# Altium PCB BlueberryPiCore.PcbDoc (part 1 of 3) (continued)
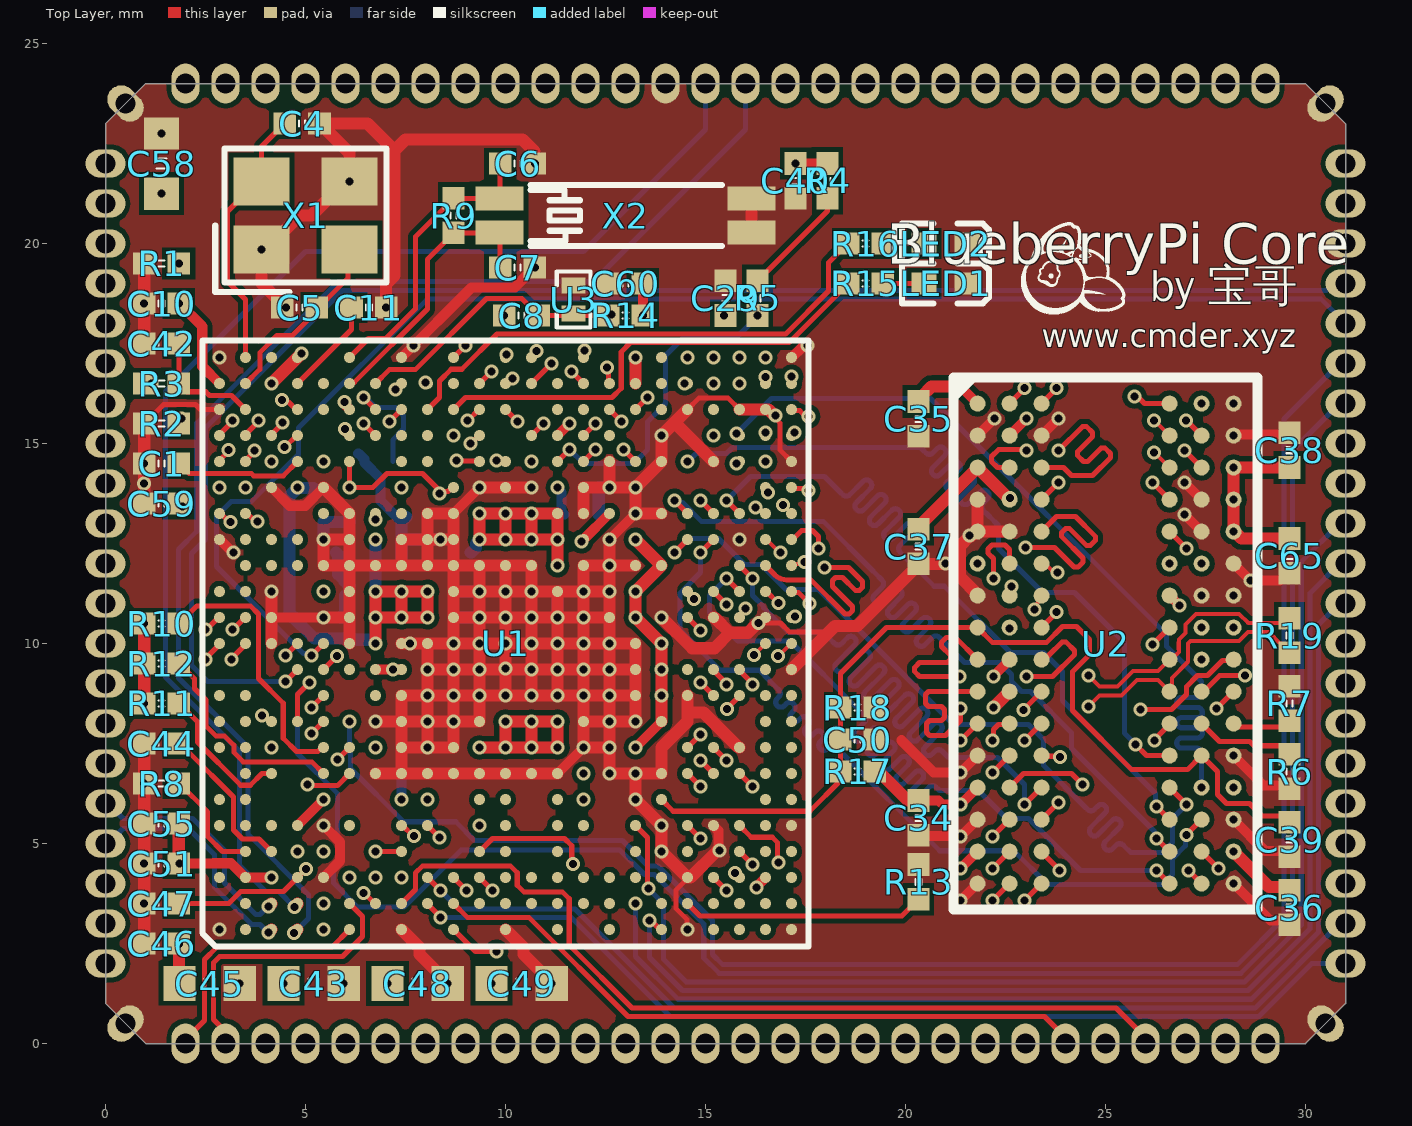
[diagram p0: Top Layer view]
## Footprints (in the part's own frame and the unit in brackets; to place one, negate y for a bottom-side part, rotate by r counter-clockwise, add the part's x,y. Pads: shape width x height; smd on the part's side, far side on the other; paste and mask are expansions set on the pad) (continued)
  round 0.28 smd paste-2539.97 mask+0.051: M23(7.15,0)
  silkscreen extent -7.58,-7.58 7.58,7.58
C0402 [mm]
  rect 0.566x0.54 smd paste-100 mask+0.051: 1(-0.433,0) 2(0.433,0)
  silkscreen extent -0.08,-0.08 0.08,0.08
C0603 [mm]
  rect 0.806x0.864 smd paste-100 mask+0.051: 1(-0.753,0) 2(0.753,0)
  silkscreen extent -0.13,-0.13 0.13,0.13
CRYSTAL-SMD_4P-L3.2-W2.5-BL [mm]
  rect 1.4x1.2 smd paste+0 mask+0.051: 1(-1.1,-0.85) 2(1.1,-0.85) 3(1.1,0.85) 4(-1.1,0.85)
  silkscreen extent -2.26,-1.91 2.03,1.68
DFN1006-2L_L1.0-W0.6-P0.70-BI [mm]
  rect 0.399x0.599 smd paste+0 mask+0.051: 1(-0.351,0) 2(0.351,0)
  silkscreen extent -0.7,-0.42 0.7,0.42
FBGA-96_L13.3-W7.5-R16-C6-P0.80-TL [mm]
  round 0.4 smd: A1(-3.2,6) A2(-2.4,6) A3(-1.6,6) A7(1.6,6) A8(2.4,6) A9(3.2,6) B1(-3.2,5.2) B2(-2.4,5.2) B3(-1.6,5.2) B7(1.6,5.2) B8(2.4,5.2) B9(3.2,5.2) C1(-3.2,4.4) C2(-2.4,4.4) C3(-1.6,4.4) C7(1.6,4.4) C8(2.4,4.4) C9(3.2,4.4) D1(-3.2,3.6) D2(-2.4,3.6) D3(-1.6,3.6) D7(1.6,3.6) D8(2.4,3.6) D9(3.2,3.6) E1(-3.2,2.8) E2(-2.4,2.8) E3(-1.6,2.8) E7(1.6,2.8) E8(2.4,2.8) E9(3.2,2.8) F1(-3.2,2) F2(-2.4,2) F3(-1.6,2) F7(1.6,2) F8(2.4,2) F9(3.2,2) G1(-3.2,1.2) G2(-2.4,1.2) G3(-1.6,1.2) G7(1.6,1.2) G8(2.4,1.2) G9(3.2,1.2) H1(-3.2,0.4) H2(-2.4,0.4) H3(-1.6,0.4) H7(1.6,0.4) H8(2.4,0.4) H9(3.2,0.4) J1(-3.2,-0.4) J2(-2.4,-0.4) J3(-1.6,-0.4) J7(1.6,-0.4) J8(2.4,-0.4) J9(3.2,-0.4) K1(-3.2,-1.2) K2(-2.4,-1.2) K3(-1.6,-1.2) K7(1.6,-1.2) K8(2.4,-1.2) K9(3.2,-1.2) L1(-3.2,-2) L2(-2.4,-2) L3(-1.6,-2) L7(1.6,-2) L8(2.4,-2) L9(3.2,-2) M1(-3.2,-2.8) M2(-2.4,-2.8) M3(-1.6,-2.8) M7(1.6,-2.8) M8(2.4,-2.8) M9(3.2,-2.8) N1(-3.2,-3.6) N2(-2.4,-3.6) N3(-1.6,-3.6) N7(1.6,-3.6) N8(2.4,-3.6) N9(3.2,-3.6) P1(-3.2,-4.4) P2(-2.4,-4.4) P3(-1.6,-4.4) P7(1.6,-4.4) P8(2.4,-4.4) P9(3.2,-4.4) R1(-3.2,-5.2) R2(-2.4,-5.2) R3(-1.6,-5.2) R7(1.6,-5.2) R8(2.4,-5.2) R9(3.2,-5.2) T1(-3.2,-6) T2(-2.4,-6) T3(-1.6,-6) T7(1.6,-6) T8(2.4,-6) T9(3.2,-6)
  silkscreen extent -3.8,-6.65 3.8,6.65
LED0402-RD [mm]
  rect 0.636x0.54 smd paste-100 mask+0.051: 1(-0.538,0) 2(0.538,0)
  silkscreen extent -1.09,-0.5 1.09,0.5
MC-146_4P-L6.7-W1.5-P0.85-TL [mm]
  rect 1.2x0.6 smd paste+0 mask+0.051: 1(-3.15,-0.425) 2(3.15,-0.425) 3(3.15,0.425) 4(-3.15,0.425)
  silkscreen extent -2.37,-0.76 2.41,0.76
R0402 [mm]
  rect 0.566x0.54 smd paste-100 mask+0.051: 1(-0.433,0) 2(0.433,0)
  silkscreen extent -0.08,-0.08 0.08,0.08

## Part data
C1 C4 C5 C6 C7 C8 C9 C11 C17 C19 C20 C21 C24 C25 C26 C31 C34 C40: library part 电容-0402, Capacitance=100nF, JLCPCB Part Class="Extended Part", LCSC Part Name="100nF ±10% 50V", Manufacturer=muRata(村田), Manufacturer Part=GRM155R71H104KE14D, Temperature Coefficient=X7R, Tolerance=±10%, Voltage Rated=50V, Add into BOM=yes, Convert to PCB=yes, Datasheet=https://atta.szlcsc.com/upload/public/pdf/source/20180326/C77020_39BD49C951FF1AF0DB1F1FAC5AC1E401.pdf, Device=GRM155R71H104KE14D, Name=100nF, Supplier=LCSC, Supplier Footprint=0402, Supplier Part=C77020, Symbol=GRM155R71H104KE14D
C10 C12 C13 C14 C15 C18 C22 C23 C27 C28 C29 C30 C32 C33 C35 C36 C37 C38 C39 C41 C42 C44 C46 C47 C50 C51 C52 C53 C54 C55 C57 C59 C60 C61 C62 C63 C64 C65 C66 C67 C68: library part 电容-0402, JLCPCB Part Class="Extended Part", LCSC Part Name="100nF ±10% 50V", Manufacturer=muRata(村田), Manufacturer Part=GRM155R71H104KE14D, Temperature Coefficient=X7R, Tolerance=±10%, Voltage Rated=50V, Add into BOM=yes, Capacitance=100nF, Convert to PCB=yes, Datasheet=https://atta.szlcsc.com/upload/public/pdf/source/20180326/C77020_39BD49C951FF1AF0DB1F1FAC5AC1E401.pdf, Device=GRM155R71H104KE14D, Name=100nF, Supplier=LCSC, Supplier Footprint=0402, Supplier Part=C77020, Symbol=GRM155R71H104KE14D
C43 C45 C48 C49 C58: library part 电容-0603, JLCPCB Part Class="Basic Part", LCSC Part Name="100nF ±10% 50V", Manufacturer=YAGEO(国巨), Manufacturer Part=CC0603KRX7R9BB104, Temperature Coefficient=X7R, Tolerance=±10%, Voltage Rated=50V, Add into BOM=yes, Convert to PCB=yes, Datasheet=https://atta.szlcsc.com/upload/public/pdf/source/20180910/C282072_33301C7F631E79921B82A8DAC6BCC5B3.pdf, Device=CC0603KRX7R9BB104, Name=100nF, Supplier=LCSC, Supplier Footprint=0603, Supplier Part=C14663, Symbol=CC0603KRX7R9BB104
LED1 LED2: library part NCD0402R1, Emitted Color=红灯, JLCPCB Part Class="Extended Part", Manufacturer=国星光电, Add into BOM=yes, Convert to PCB=yes, Datasheet=https://atta.szlcsc.com/upload/public/pdf/source/20200820/C130719_A72EA5A7FEC83C35856EA0453E4EE775.pdf, Device=NCD0402R1, LCSC Part Name=NCD0402R1, Manufacturer Part=NCD0402R1, Name=NCD0402R1, Supplier=LCSC, Supplier Footprint=0402, Supplier Part=C130719, Symbol=FC-F1005HRK-620H5
R1 R2 R3 R4 R5 R6 R7 R8 R9 R10 R11 R12 R13 R14 R15 R16 R17 R18 R19: library part 电阻-0402, JLCPCB Part Class="Basic Part", LCSC Part Name="1kΩ ±1% 62.5mW", Manufacturer=UNI-ROYAL(厚声), Manufacturer Part=0402WGF1001TCE, Operating Temperature Range=-55℃~+155℃, Overload Voltage (Max)=50V, Power(Watts)=62.5mW, Temperature Coefficient=±100ppm/℃, Tolerance=±1%, Add into BOM=yes, Convert to PCB=yes, Datasheet=https://atta.szlcsc.com/upload/public/pdf/source/20200306/C422600_1E6D84923E4A46A82E41ADD87F860B5C.pdf, Device=0402WGF1001TCE, Name=1kΩ, Supplier=LCSC, Supplier Footprint=0402, Supplier Part=C11702, Symbol=0402WGF1001TCE, Type=厚膜电阻
U1: "全志H6", Add into BOM=yes, Convert to PCB=yes, Device=Allwinner_H6, Symbol=Allwinner_H6
U2: library part Component_1
U3: JLCPCB Part Class=扩展库, Manufacturer="TECH PUBLIC(台舟)", Add into BOM=yes, Convert to PCB=yes, Datasheet=https://atta.szlcsc.com/upload/public/pdf/source/20211227/D040CF3F0222548C5BD9F7E690946783.pdf, Device=ESD5451N, Supplier=LCSC, Supplier Part=C2936977, Symbol=ESD5451N-
X1: "晶振类型:贴片无源晶振;频率:24MHz;频率公差:±10ppm;频率稳定度:±30ppm;负载电容:12pF;工作温度:-40℃~+85℃;", Frequency Stability=±30ppm, Frequency Tolerance=±10ppm, JLCPCB Part Class=扩展库, LCSC Part Name="24MHz ±10ppm 12pF", Load Capacitance=12pF, Manufacturer=YXC(扬兴晶振), Operating Temperature=-40℃~+85℃, Add into BOM=yes, Convert to PCB=yes, Crystal Type=贴片无源晶振, Datasheet=https://atta.szlcsc.com/upload/public/pdf/source/20210329/C112971_1F611BDC486E193C1706F6D8EB5AA189.pdf, Device=X322524MOB4SI, Manufacturer Part=X322524MOB4SI, Name=24MHz, Supplier=LCSC, Supplier Footprint=SMD3225-4P, Supplier Part=C70590, Symbol=X322524MOB4SI
X2: "晶振类型:贴片无源晶振;频率:32.768kHz;频率公差:±20ppm;负载电容:7pF;等效串联电阻(ESR):65kΩ;工作温度:-40℃~+85℃;", Equivalent Series Resistance (ESR)=65kΩ, Frequency Tolerance=±20ppm, JLCPCB Part Class=扩展库, LCSC Part Name="32.768kHz ±20ppm 7pF", Load Capacitance=7pF, Manufacturer=EPSON(爱普生), Operating Temperature=-40℃~+85℃, Add into BOM=yes, Convert to PCB=yes, Crystal Type=贴片无源晶振, Datasheet=https://atta.szlcsc.com/upload/public/pdf/source/20170211/1486785670215.pdf, Device=MC-14632.768kHz7.0pF20PPM, Manufacturer Part=MC-14632.768kHz7.0pF20PPM, Name=32.768kHz, Supplier=LCSC, Supplier Footprint=MC-146, Supplier Part=C94977, Symbol=MC-14632.768kHz7.0pF20PPM

## Free pads (board coordinates)
  oval 1x0.7 hole 0.5 mask+0: 1(0,22) 2(0,21) 3(0,20) 4(0,19) 5(0,18) 6(0,17) 7(0,16) 8(0,15) 9(0,14) 10(0,13) 11(0,12) 12(0,11) 13(0,10) 14(0,9) 15(0,8) 16(0,7) 17(0,6) 18(0,5) 19(0,4) 20(0,3) 21(0,2) 50(31,2) 51(31,3) 52(31,4) 53(31,5) 54(31,6) 55(31,7) 56(31,8) 57(31,9) 58(31,10) 59(31,11) 60(31,12) 61(31,13) 62(31,14) 63(31,15) 64(31,16) 65(31,17) 66(31,18) 67(31,19) 68(31,20) 69(31,21) 70(31,22)
  oval 0.7x1 hole 0.5 mask+0: 22(2,0) 23(3,0) 24(4,0) 25(5,0) 26(6,0) 27(7,0) 29(8,0) 29(9,0) 30(10,0) 31(11,0) 32(12,0) 33(13,0) 34(14,0) 35(15,0) 36(16,0) 37(17,0) 38(18,0) 39(19,0) 40(20,0) 41(21,0) 42(22,0) 43(23,0) 44(24,0) 45(25,0) 46(26,0) 47(27,0) 48(28,0) 49(29,0) 71(29,24) 72(28,24) 73(27,24) 74(26,24) 75(25,24) 76(24,24) 77(23,24) 78(22,24) 79(21,24) 80(20,24) 81(19,24) 82(18,24) 83(17,24) 84(16,24) 85(15,24) 86(14,24) 87(13,24) 88(12,24) 89(11,24) 90(10,24) 91(9,24) 92(8,24) 93(7,24) 94(6,24) 95(5,24) 96(4,24) 97(3,24) 98(2,24)
  oval 1x0.7 hole 0.5 rot 45 mask+0: 99(0.5,0.5) 99(30.5,23.5)
  oval 1x0.7 hole 0.5 rot 135 mask+0: 99(0.5,23.5) 99(30.5,0.5)

## Via types
v1: diameter 0.35, hole 0.2, Top Layer to Bottom Layer, tented both sides, 387 vias

## Nets (pads, with @x,y where several pads share a name; then routed paths per layer and width w, separated by ;. In a path a pad name is that pad's centre, name@x,y a point inside that pad or via, vN(x,y) a via of type N, cw(c..) or ccw(c..) an arc to the next point about the centre after c; other vN are vias at no path point)
AC-AVCC: C47.2 C48.2 U1.D3 | length 7.7
  Top Layer w0.127: C47.2@1.833,3.5 3.08,3.5 3.38,3.8 4.002,3.8 4.004,3.798 4.296,3.798 4.298,3.8 4.45,3.8 U1.D3@4.8,4.15 v1(5.007,4.357)
  SIG2 w0.127: v1(5.007,4.357) 5.007,3.625 5.077,3.555 5.077,2.648 5.45,2.275 6.272,2.275 v1(7.047,1.5)
AC-LDOIN: C45.2 C46.2 C51.2 C55.2 pad.96 R10.2 R11.2 R12.2 U1.B3 U1.C3 U1.E4 | length 31.8
  Top Layer w0.254: C51.2@1.833,4.5 v1(1.846,4.5) 2.697,4.5 2.703,4.506 3.137,4.506 3.493,4.15 U1.B3@3.5,4.15 v1(4.15,4.15)
  Top Layer w0.305: v1(0.967,8.5) R12.2@0.967,9.5 v1(0.967,10.5) ; C46.2@1.833,2.5 v1(1.84,2.493) 1.84,1.507 C45.2@1.847,1.5 ; C51.2@1.833,4.5 C55.2@1.833,5.5
  SIG1 w0.305: v1(4.15,4.15) 4.176,4.15 4.476,3.85 5.124,3.85 5.45,4.176 v1(5.45,4.8)
  PWR w0.305: v1(1.84,2.493) 1.843,2.496 1.843,4.497 v1(1.846,4.5) 1.846,6.529 0.967,7.408 v1(0.967,8.5) v1(0.967,10.5) 1.454,10.987 1.454,15.805 1.59,15.941 1.59,17.315 2.5,18.225 2.5,21.475 4,22.975 pad.96@4,24 ; v1@5.424,4.8 v1(5.45,4.8)
AC-VDD-IN: C49.2 U1.D5 U1.E6 | length 8.4
  Top Layer w0.254: U1.D5@4.8,5.45 v1(5.45,6.1)
  SIG2 w0.254: v1(5.45,6.1) 5.45,6.061 5.523,5.988 5.523,5.965 5.866,5.622 5.866,4.628 5.684,4.446 5.684,3.854 7.623,1.916 9.231,1.916 v1(9.647,1.5)
ALDO1: C14.2 pad.93 U1.H18 | length 11.1
  GND1 w0.254: pad.93@7,24 7,23.025 8.2,21.825 8.2,17.357 8.421,17.136 8.421,16.357 8.25,16.187 8.25,14.75 v1(7.4,13.9)
ALDO3: C40.2 C41.2 C62.2 pad.95 R4.1 U1.E14 U1.G8 U1.R6 | length 38.4
  Top Layer w0.254: v1(17.25,22) R4.1@18.05,22
  GND1 w0.254: pad.95@5,24 5,18.295 4.484,17.779 4.484,16.754 4.9,16.338 4.9,14.512 5.216,14.196 5.216,13.403 5.034,13.221 5.034,11.716 v1(5.45,11.3)
  SIG1 w0.254: v1(6.75,7.4) 7.462,7.4 7.878,6.984 9.141,6.984 9.8,6.325 11.725,6.325 v1(11.95,6.1)
  SIG2 w0.254: v1(5.45,11.3) 6.204,10.546 6.204,9.452 5.684,8.932 5.684,7.878 6.162,7.4 v1(6.75,7.4)
  PWR w0.254: pad.95@5,24 5,23.85 5.954,22.896 16.354,22.896 v1(17.25,22)
AP-CK32KO: pad.57 U1.G20 | length 37.9
  Top Layer w0.127: v1(6.45,15.5) U1.G20@6.75,15.2
  SIG2 w0.127: v1(6.45,15.5) 6.753,15.197 7.246,15.197 7.602,15.554 7.602,16.496 7.348,16.751 7.348,17.612 9.555,19.82 9.955,19.82 10.32,20.184 11.076,20.184 11.449,19.811 27.765,19.811 29.841,17.736 29.841,14.704 30.348,14.197 30.348,11.994 30.348,9.502 30.85,9 pad.57@31,9
AP-NMI: C9.2 U1.G21 | length 2.9
  Top Layer w0.127: v1(6.45,16.15) U1.G21@6.75,15.85
  Bottom Layer w0.127: v1(6.45,16.15) 6.507,16.15 6.754,15.902 7.246,15.902 7.452,15.696 7.452,15.36 7.184,15.092 C9.2@7.184,14.55
AP-RESET: C8.2 pad.89 R14.2 U1.G22 U3.2 | length 13.3
  Top Layer w0.127: U1.G22@6.75,16.5 7.095,16.845 7.745,16.845 9.525,18.625 10.408,18.625 C8.2@10.833,18.2 R14.2@12.567,18.2
  GND1 w0.254: pad.89@11,24 11,23.85 12.65,22.2 v1(12.65,18.225)
AP-WAKE-BT: pad.52 U1.L22 | length 35.7
  Top Layer w0.127: U1.L22@9.35,16.5 v1(9.65,16.8)
  SIG2 w0.127: v1(9.65,16.8) 9.598,16.852 9.598,16.988 9.575,17.011 9.575,17.375 10.048,17.848 10.37,17.848 11.255,18.732 27.318,18.732 28.762,17.288 28.762,14.256 29.259,13.759 29.259,5.591 30.85,4 pad.52@31,4
BIAS-ITEST: R2.1 U1.D20 | length 3.3
  Top Layer w0.127: v1(4.473,14.917) 4.495,14.917 4.778,15.2 U1.D20@4.8,15.2
  SIG2 w0.127: v1(1.896,15.623) 2.296,15.223 3.827,15.223 4.133,14.917 v1(4.473,14.917)
BIAS-REXT: R1.1 U1.D21 | length 8.1
  Top Layer w0.127: v1(4.414,16.089) 4.467,16.037 4.572,16.037 4.759,15.85 U1.D21@4.8,15.85
  SIG2 w0.127: v1(1.833,19.5) 2.185,19.148 2.185,18.285 0.775,16.875 0.775,16.375 1.061,16.089 v1(4.414,16.089)
BIAS-VRAL: C1.1 U1.D19 | length 3.2
  Top Layer w0.127: C1.1@1.833,14.5 1.846,14.5 2.093,14.252 3.646,14.252 3.706,14.192 4.443,14.192 U1.D19@4.8,14.55
BLDO1: C29.2 C52.2 C63.2 C64.2 pad.88 R3.2 U1.E19 U1.P18 U1.W22 | length 30.9
  Top Layer w0.254: v1(14.475,16.5) U1.W22@14.55,16.5
  GND1 w0.254: pad.88@12,24 12,23.85 13.849,22.001 13.849,17.126 v1(14.475,16.5)
  SIG2 w0.254: v1(1.149,16.5) 2.788,16.5 3.204,16.916 4.322,16.916 4.566,16.672 4.85,16.388 4.85,15.138 5.438,14.55 v1(5.45,14.55) ; v1(11.3,13.9) 11.834,14.434 13.722,14.434 14.475,15.187 v1(14.475,16.5) 14.475,16.54 14.134,16.881 14.134,17.322 14.559,17.747 15.014,17.747 v1(15.467,18.2)
  PWR w0.254: v1(5.45,14.55) 5.846,14.946 7.196,14.946 8.247,15.997 9.265,15.997 10.128,15.134 10.654,15.134 11.3,14.488 v1(11.3,13.9)
  Bottom Layer w0.254: C64.2@11.296,13.226 C64.2@11.298,13.228 ; v1(11.3,13.9) 11.3,13.874 11.403,13.771 11.403,13.29 C64.2@11.467,13.226
BLDO2: C12.2 C53.2 C58.2 C59.2 pad.97 U1.C19 U1.G11 U1.H11 U1.N19 | length 35.4
  Top Layer w0.254: U1.G11@6.75,9.35 v1(7.184,9.35) U1.H11@7.4,9.35
  GND1 w0.254: v1(1.4,21.247) 2.311,20.335 2.311,15.45 1.929,15.067 v1(1.929,13.421)
  SIG2 w0.254: v1(4.15,14.55) 4.111,14.55 3.936,14.375 2.575,14.375 1.956,13.756 1.956,13.449 v1(1.929,13.421) 1.929,9.033 4.006,6.956 5.157,6.956 5.429,6.684 6.622,6.684 7.184,7.246 v1(7.184,9.35)
  PWR w0.254: v1(1.4,21.247) 3,22.847 pad.97@3,24 ; v1(4.15,14.55) 4.19,14.55 4.424,14.316 4.972,14.316 5.154,14.134 5.622,14.134 5.887,14.399 7.576,14.399 7.825,14.15 9.047,14.15 9.188,14.291 9.512,14.291 9.669,14.134 10.234,14.134 v1(10.65,14.55)
BLDO3: C10.2 C13.2 C15.2 pad.90 U1.A22 U1.H6 U1.M19 | length 37.4
  Top Layer w0.254: v1(1.833,18.5) 1.846,18.5 2.417,17.929 2.417,16.933 U1.A22@2.85,16.5
  GND1 w0.254: v1(1.833,18.5) 1.564,18.232 1.564,15.88 1.48,15.795 1.48,12.945 2.65,11.775 4.225,10.2 6.204,10.2 ; v1(7.4,6.1) 5.684,7.816 5.684,8.996 6.204,9.516 6.204,10.2 ; v1@9.749,14.606 9.786,14.606 10,14.82 10,15.262 9.475,15.787 9.475,16.387 9.234,16.628 9.234,16.972 9.475,17.213 9.475,20.686 10,21.211 pad.90@10,24 ; v1(9.781,14.575) 9.755,14.575 9.471,14.291 9.153,14.291 8.9,14.038 8.9,12.537 8.113,11.75 6.612,11.75 6.204,11.342 6.204,10.2
  Bottom Layer w0.254: v1(7.4,6.1) C13.2@7.4,7.425
BT-PCM-CLK: pad.44 U1.K2 | length 16.9
  Top Layer w0.127: U1.K2@8.7,3.488 U1.K2@8.7,3.5 9.045,3.155 10.582,3.155 13.061,0.675 23.475,0.675 24,0.15 pad.44@24,0
BT-PCM-DIN: pad.43 U1.L3 | length 15.5
  Top Layer w0.127: U1.L3@9.35,4.15 v1(9.675,3.825)
  SIG1 w0.127: v1(9.675,3.825) 10.345,3.825 13.061,1.109 13.066,1.109 13.075,1.1 22.05,1.1 23,0.15 pad.43@23,0
BT-PCM-DOUT: pad.45 U1.L4 | length 18.4
  Top Layer w0.127: U1.L4@9.35,4.8 9.675,5.125 11.475,5.125 11.656,4.944 11.656,4.523 v1(11.689,4.49)
  SIG2 w0.127: v1(11.689,4.49) 11.741,4.438 11.741,4.245 14.486,1.5 23.65,1.5 25,0.15 pad.45@25,0
BT-PCM-SYNC: pad.42 U1.K3 | length 15.1
  Top Layer w0.127: U1.K3@8.7,4.15 v1(9.025,3.825)
  SIG1 w0.127: v1(9.025,3.825) 9.425,3.425 10.439,3.425 12.98,0.884 13.066,0.884 13.075,0.875 21.275,0.875 22,0.15 pad.42@22,0
BT-REG-ON: pad.56 U1.L19 | length 38.2
  Top Layer w0.127: v1(8.775,14.575) 8.787,14.563 9.338,14.563 U1.L19@9.35,14.55
  SIG2 w0.127: v1(8.775,14.575) 8.348,15.002 8.348,15.373 8.75,15.775 8.75,16.264 8.216,16.798 8.216,18.175 9.645,19.604 10.045,19.604 10.409,19.968 10.987,19.968 11.36,19.596 27.676,19.596 29.625,17.646 29.625,14.614 30.125,14.114 30.125,8.725 30.85,8 pad.56@31,8
BT-UART-CTS: pad.38 U1.H3 | length 12.7
  SIG2 w0.127: v1(7.4,4.15) 7.725,4.475 10.55,4.475 14.25,0.775 17.375,0.775 18,0.15 pad.38@18,0
BT-UART-RTS: pad.41 U1.K1 | length 13.6
  Top Layer w0.127: U1.K1@8.7,2.85 9.25,2.3 v1(9.775,2.3)
  SIG1 w0.127: v1(9.775,2.3) 11.259,2.3 12.891,0.668 12.907,0.668 12.923,0.652 20.208,0.652 20.211,0.65 20.5,0.65 21,0.15 pad.41@21,0
BT-UART-RX: pad.39 U1.H4 | length 15
  Top Layer w0.127: v1(6.75,4.8) U1.H4@7.4,4.8
  SIG2 w0.127: v1(6.75,4.8) 10.575,4.8 14.375,1 18.15,1 19,0.15 pad.39@19,0
BT-UART-TX: pad.40 U1.J6 | length 14.6
  SIG2 w0.127: v1(8.05,6.1) 9.58,6.1 14.405,1.275 18.875,1.275 20,0.15 pad.40@20,0
BT-WAKE-AP: pad.55 U1.L21 | length 37.1
  Top Layer w0.127: v1(9.054,15.581) 9.067,15.581 9.336,15.85 U1.L21@9.35,15.85
  SIG2 w0.127: v1(9.054,15.581) 9.102,15.629 9.102,16.218 8.432,16.888 8.432,18.086 9.734,19.388 10.134,19.388 10.499,19.752 10.898,19.752 11.27,19.38 27.586,19.38 29.409,17.557 29.409,14.525 29.909,14.025 29.909,7.941 30.85,7 pad.55@31,7
CPUX-URX: pad.69 U1.D12 | length 36.8
  Top Layer w0.127: v1(4.5,9.7) U1.D12@4.8,10
  SIG2 w0.127: v1(4.5,9.7) 4.503,9.702 4.503,12.151 5.827,13.475 6.173,13.475 6.452,13.754 6.452,14.357 5.525,15.285 5.525,17.408 8.442,20.325 9.145,20.325 9.652,20.832 11.345,20.832 11.718,20.459 30.154,20.459 30.695,21 pad.69@31,21
CPUX-UTX: pad.70 U1.C9 | length 38.5
  Top Layer w0.127: v1(3.918,8.205) 3.956,8.205 4.112,8.05 U1.C9@4.15,8.05
  SIG2 w0.127: v1(3.918,8.205) 3.918,8.279 3.798,8.4 3.798,12.096 5.802,14.101 5.802,14.702 5.309,15.195 5.309,17.497 8.353,20.541 9.055,20.541 9.562,21.048 11.434,21.048 11.807,20.675 29.525,20.675 30.85,22 pad.70@31,22
DCXO-LDOOUT: C11.2 U1.D22 | length 2.5
  Top Layer w0.127: U1.D22@4.8,16.5 6.15,17.85 C11.2@6.15,18.4
DCXO-XIN: C4.1 U1.B23 X1.4 | length 6.7
  Top Layer w0.127: U1.B23@3.5,17.15 3.5,18.6 3.048,19.052 3.048,20.798 3.8,21.55 X1.4@3.9,21.55 3.9,22.428 4.472,23 C4.1@4.484,23
DCXO-XOUT: C5.1 U1.B22 X1.2 | length 4.7
  Top Layer w0.127: U1.B22@3.5,16.5 3.858,16.858 3.858,17.271 4.286,17.7 4.67,17.7 C5.1@5.326,18.356 ; C5.1@5.283,18.4 5.325,18.4 5.325,18.429 5.502,18.607 5.532,18.607 6.059,19.134 6.059,19.809 X1.2@6.1,19.85
DDC-CEC-EN: pad.98 U1.E11 | length 17.6
  Top Layer w0.127: U1.E11@5.45,9.35 v1(5.788,9.688)
  SIG1 w0.127: pad.98@2,24 2,20.136 4.318,17.818 5.135,17.818 5.473,17.481 5.473,15.331 6.475,14.329 6.475,13.777 6.166,13.467 5.992,13.467 5.748,13.223 5.748,12.801 5.802,12.746 5.802,9.702 v1(5.788,9.688)
EMMC-CLK: pad.81 U1.N20 | length 22
  Top Layer w0.127: U1.N20@10.65,15.2 v1(10.95,15.5)
  SIG1 w0.127: v1(10.95,15.5) 10.648,15.197 10.154,15.197 9.298,16.054 9.298,17.048 10.098,17.848 10.199,17.848 13.211,20.859 18.309,20.859 18.37,20.92 18.433,20.983 ccw(c18.248,21.096) 18.412,21.237 cw(c18.412,21.364) 18.412,21.491 18.925,21.491 ccw(c18.925,21.618) 18.925,21.745 18.412,21.745 cw(c18.412,21.872) 18.412,21.999 18.925,21.999 ccw(c18.925,22.126) 18.925,22.253 18.412,22.253 cw(c18.412,22.38) 18.412,22.507 18.925,22.507 ccw(c18.925,22.634) 18.925,22.761 18.412,22.761 cw(c18.412,22.888) 18.412,23.015 18.873,23.015 ccw(c18.873,23.142) 19,23.142 19,23.608 pad.81@19,24
EMMC-CMD: pad.80 U1.M21 | length 22
  Top Layer w0.127: U1.M21@10,15.85 v1(10.3,15.55)
  SIG1 w0.127: v1(10.3,15.55) 10.775,16.025 10.775,16.824 10.425,17.174 10.425,17.768 13.3,20.643 19.325,20.643 19.332,20.65 20,21.318 20,21.349 ccw(c19.873,21.349) 19.873,21.476 19.402,21.476 cw(c19.402,21.603) 19.402,21.73 19.93,21.73 ccw(c19.93,21.857) 19.93,21.984 19.402,21.984 cw(c19.402,22.111) 19.402,22.238 19.93,22.238 ccw(c19.93,22.365) 19.93,22.492 19.402,22.492 cw(c19.402,22.619) 19.402,22.746 19.93,22.746 ccw(c19.93,22.873) 19.93,23 19.402,23 cw(c19.402,23.127) 19.402,23.254 19.873,23.254 ccw(c19.873,23.381) 20,23.381 20,23.707 pad.80@20,24
EMMC-D0: pad.78 U1.N22 | length 22
  Top Layer w0.127: U1.N22@10.65,16.5 v1(11.15,17)
  SIG1 w0.127: v1(11.15,17) 11.158,17 11.369,17.211 11.369,18.102 13.479,20.211 20.925,20.211 21.739,21.025 21.839,21.126 ccw(c21.75,21.216) 21.75,21.343 21.6,21.343 cw(c21.6,21.47) 21.6,21.597 22.252,21.597 ccw(c22.252,21.724) 22.252,21.851 21.6,21.851 cw(c21.6,21.978) 21.6,22.105 22.252,22.105 ccw(c22.252,22.232) 22.252,22.359 21.6,22.359 cw(c21.6,22.486) 21.6,22.613 22.252,22.613 ccw(c22.252,22.74) 22.252,22.867 21.6,22.867 cw(c21.6,22.994) 21.6,23.121 21.873,23.121 ccw(c21.873,23.248) 22,23.248 22,23.475 pad.78@22,24
EMMC-D1: pad.79 U1.N23 | length 21.9
  Top Layer w0.127: U1.N23@10.65,17.15 10.65,17.17 10.779,17.299 v1(10.779,17.318)
  SIG1 w0.127: v1(10.779,17.318) 10.779,17.817 13.389,20.427 20.227,20.427 20.342,20.542 20.377,20.577 20.377,20.829 20.497,20.949 cw(c20.587,20.859) 20.587,20.986 21.133,20.986 ccw(c21.133,21.113) 21.133,21.24 20.463,21.24 cw(c20.463,21.367) 20.463,21.494 21.131,21.494 ccw(c21.131,21.621) 21.131,21.748 20.463,21.748 cw(c20.463,21.875) 20.463,22.002 21.13,22.002 ccw(c21.13,22.129) 21.13,22.256 20.463,22.256 cw(c20.463,22.383) 20.463,22.51 21.13,22.51 ccw(c21.13,22.637) 21.13,22.764 20.463,22.764 cw(c20.463,22.891) 20.463,23.018 20.873,23.018 ccw(c20.873,23.145) 21,23.145 21,23.972 pad.79@21,24
EMMC-D2: pad.77 U1.R22 | length 22
  Top Layer w0.127: v1(11.65,16.8) U1.R22@11.95,16.5
  SIG1 w0.127: v1(11.65,16.8) 11.619,16.831 11.619,18.046 13.568,19.995 22.145,19.995 23,20.85 23,21.05 23,21.114 ccw(c22.873,21.114) 22.873,21.241 22.756,21.241 cw(c22.756,21.368) 22.756,21.495 23.208,21.495 ccw(c23.208,21.622) 23.208,21.749 22.756,21.749 cw(c22.756,21.876) 22.756,22.003 23.208,22.003 ccw(c23.208,22.13) 23.208,22.257 22.756,22.257 cw(c22.756,22.384) 22.756,22.511 23.208,22.511 ccw(c23.208,22.638) 23.208,22.765 22.756,22.765 cw(c22.756,22.892) 22.756,23.019 23.208,23.019 ccw(c23.208,23.146) 23.208,23.273 23.127,23.273 cw(c23.127,23.4) 23,23.4 23,23.834 pad.77@23,24
EMMC-D3: pad.76 U1.R23 | length 21.9
  Top Layer w0.127: U1.R23@11.95,17.15 11.95,17.307 v1(11.972,17.328)
  SIG1 w0.127: v1(11.972,17.328) 12.024,17.381 12.024,18.146 13.658,19.78 22.855,19.78 24,20.925 24,21.225 24,21.289 ccw(c23.873,21.289) 23.873,21.416 23.746,21.416 cw(c23.746,21.543) 23.746,21.67 24.281,21.67 ccw(c24.281,21.797) 24.281,21.924 23.746,21.924 cw(c23.746,22.051) 23.746,22.178 24.281,22.178 ccw(c24.281,22.305) 24.281,22.432 23.746,22.432 cw(c23.746,22.559) 23.746,22.686 24.281,22.686 ccw(c24.281,22.813) 24.281,22.94 23.746,22.94 cw(c23.746,23.067) 23.746,23.194 23.873,23.194 ccw(c23.873,23.321) 24,23.321 24,23.55 pad.76@24,24
EMMC-D4: pad.74 U1.T22 | length 22
  Top Layer w0.127: v1(12.54,16.9) 12.571,16.869 12.571,16.529 U1.T22@12.6,16.5
  SIG1 w0.127: v1(12.54,16.9) 12.54,16.938 13.449,17.848 13.682,17.848 15.182,19.348 15.498,19.348 23.873,19.348 26,21.475 26,21.525 26,21.589 ccw(c25.873,21.589) 25.873,21.716 25.654,21.716 cw(c25.654,21.843) 25.654,21.97 26.237,21.97 ccw(c26.237,22.097) 26.237,22.224 25.654,22.224 cw(c25.654,22.351) 25.654,22.478 26.237,22.478 ccw(c26.237,22.605) 26.237,22.732 25.654,22.732 cw(c25.654,22.859) 25.654,22.986 25.873,22.986 ccw(c25.873,23.113) 26,23.113 26,23.35 pad.74@26,24
EMMC-D5: pad.73 U1.T21 | length 21.9
  Top Layer w0.127: U1.T21@12.6,15.85 v1(12.9,15.55)
  SIG1 w0.127: v1(12.9,15.55) 13.198,15.847 13.198,16.599 13.691,17.093 13.691,17.551 15.271,19.132 24.482,19.132 25.004,19.654 25.049,19.699 ccw(c24.959,19.789) 25.049,19.879 25.019,19.909 cw(c25.109,19.999) 25.019,20.089 cw(c25.109,19.999) 25.198,20.089 25.267,20.02 ccw(c25.357,20.109) 25.447,20.02 ccw(c25.357,20.109) 25.447,20.199 25.378,20.268 cw(c25.468,20.358) 25.378,20.448 cw(c25.468,20.358) 25.558,20.448 25.626,20.379 ccw(c25.716,20.469) 25.806,20.379 ccw(c25.716,20.469) 25.806,20.558 25.737,20.627 cw(c25.827,20.717) 25.737,20.807 cw(c25.827,20.717) 25.917,20.807 25.986,20.738 ccw(c26.076,20.828) 26.165,20.738 ccw(c26.076,20.828) 26.165,20.918 26.096,20.987 cw(c26.186,21.076) 26.096,21.166 cw(c26.186,21.076) 26.276,21.166 26.306,21.136 ccw(c26.396,21.226) 26.486,21.136 26.827,21.477 27,21.65 pad.73@27,24
EMMC-D6: pad.71 U1.U19 | length 22
  Top Layer w0.127: v1(12.95,14.85) U1.U19@13.25,14.55
  SIG1 w0.127: v1(12.95,14.85) 14.123,16.023 14.123,17.373 15.45,18.7 25.325,18.7 29,22.375 pad.71@29,24
EMMC-D7: pad.72 U1.U21 | length 22
  Top Layer w0.127: U1.U21@13.25,15.85 v1(13.55,16.15)
  SIG1 w0.127: v1(13.55,16.15) 13.907,16.507 13.907,17.462 15.361,18.916 25.116,18.916 25.55,19.35 25.595,19.395 ccw(c25.505,19.485) 25.595,19.575 25.57,19.599 cw(c25.66,19.689) 25.57,19.779 cw(c25.66,19.689) 25.75,19.779 25.792,19.736 ccw(c25.882,19.826) 25.972,19.736 ccw(c25.882,19.826) 25.972,19.916 25.93,19.958 cw(c26.019,20.048) 25.93,20.138 cw(c26.019,20.048) 26.109,20.138 26.152,20.095 ccw(c26.241,20.185) 26.331,20.095 ccw(c26.241,20.185) 26.331,20.275 26.289,20.317 cw(c26.379,20.407) 26.289,20.497 cw(c26.379,20.407) 26.468,20.497 26.511,20.455 ccw(c26.601,20.544) 26.69,20.455 ccw(c26.601,20.544) 26.69,20.634 26.648,20.677 cw(c26.738,20.766) 26.648,20.856 cw(c26.738,20.766) 26.828,20.856 26.87,20.814 ccw(c26.96,20.904) 27.05,20.814 ccw(c26.96,20.904) 27.05,20.993 27.007,21.036 cw(c27.097,21.126) 27.007,21.215 cw(c27.097,21.126) 27.187,21.215 27.211,21.191 ccw(c27.301,21.281) 27.391,21.191 27.825,21.625 28,21.8 pad.72@28,24
EMMC-DS: pad.75 U1.R20 | length 22
  Top Layer w0.127: U1.R20@11.95,15.2 v1(12.25,15.5)
  SIG1 w0.127: v1(12.25,15.5) 12.198,15.552 12.198,15.688 12.175,15.711 12.175,17.033 13.075,17.933 13.075,18.35 14.289,19.564 23.492,19.564 25,21.071 25,21.179 25,21.242 ccw(c24.873,21.242) 24.873,21.369 24.85,21.369 cw(c24.85,21.496) 24.85,21.623 25.042,21.623 ccw(c25.042,21.75) 25.042,21.877 24.85,21.877 cw(c24.85,22.004) 24.85,22.131 25.042,22.131 ccw(c25.042,22.258) 25.042,22.385 24.85,22.385 cw(c24.85,22.512) 24.85,22.639 25.042,22.639 ccw(c25.042,22.766) 25.042,22.893 24.85,22.893 cw(c24.85,23.02) 24.85,23.147 24.873,23.147 ccw(c24.873,23.274) 25,23.274 25,23.525 pad.75@25,24
EMMC-RST: pad.82 U1.R19 | length 21.9
  Top Layer w0.127: U1.R19@11.95,14.55 v1(12.25,14.85)
  SIG1 w0.127: v1(12.25,14.85) 11.898,14.498 11.201,14.498 10.796,14.902 9.577,14.902 8.898,14.223 8.552,14.223 8.2,14.575 8.2,15.725 8.601,16.126 8.601,17.549 10.099,19.048 11.094,19.048 13.121,21.075 17.675,21.075 18,21.4 pad.82@18,24